# KiCad board RP2350pc_Rev_A.kicad_pcb (continued)
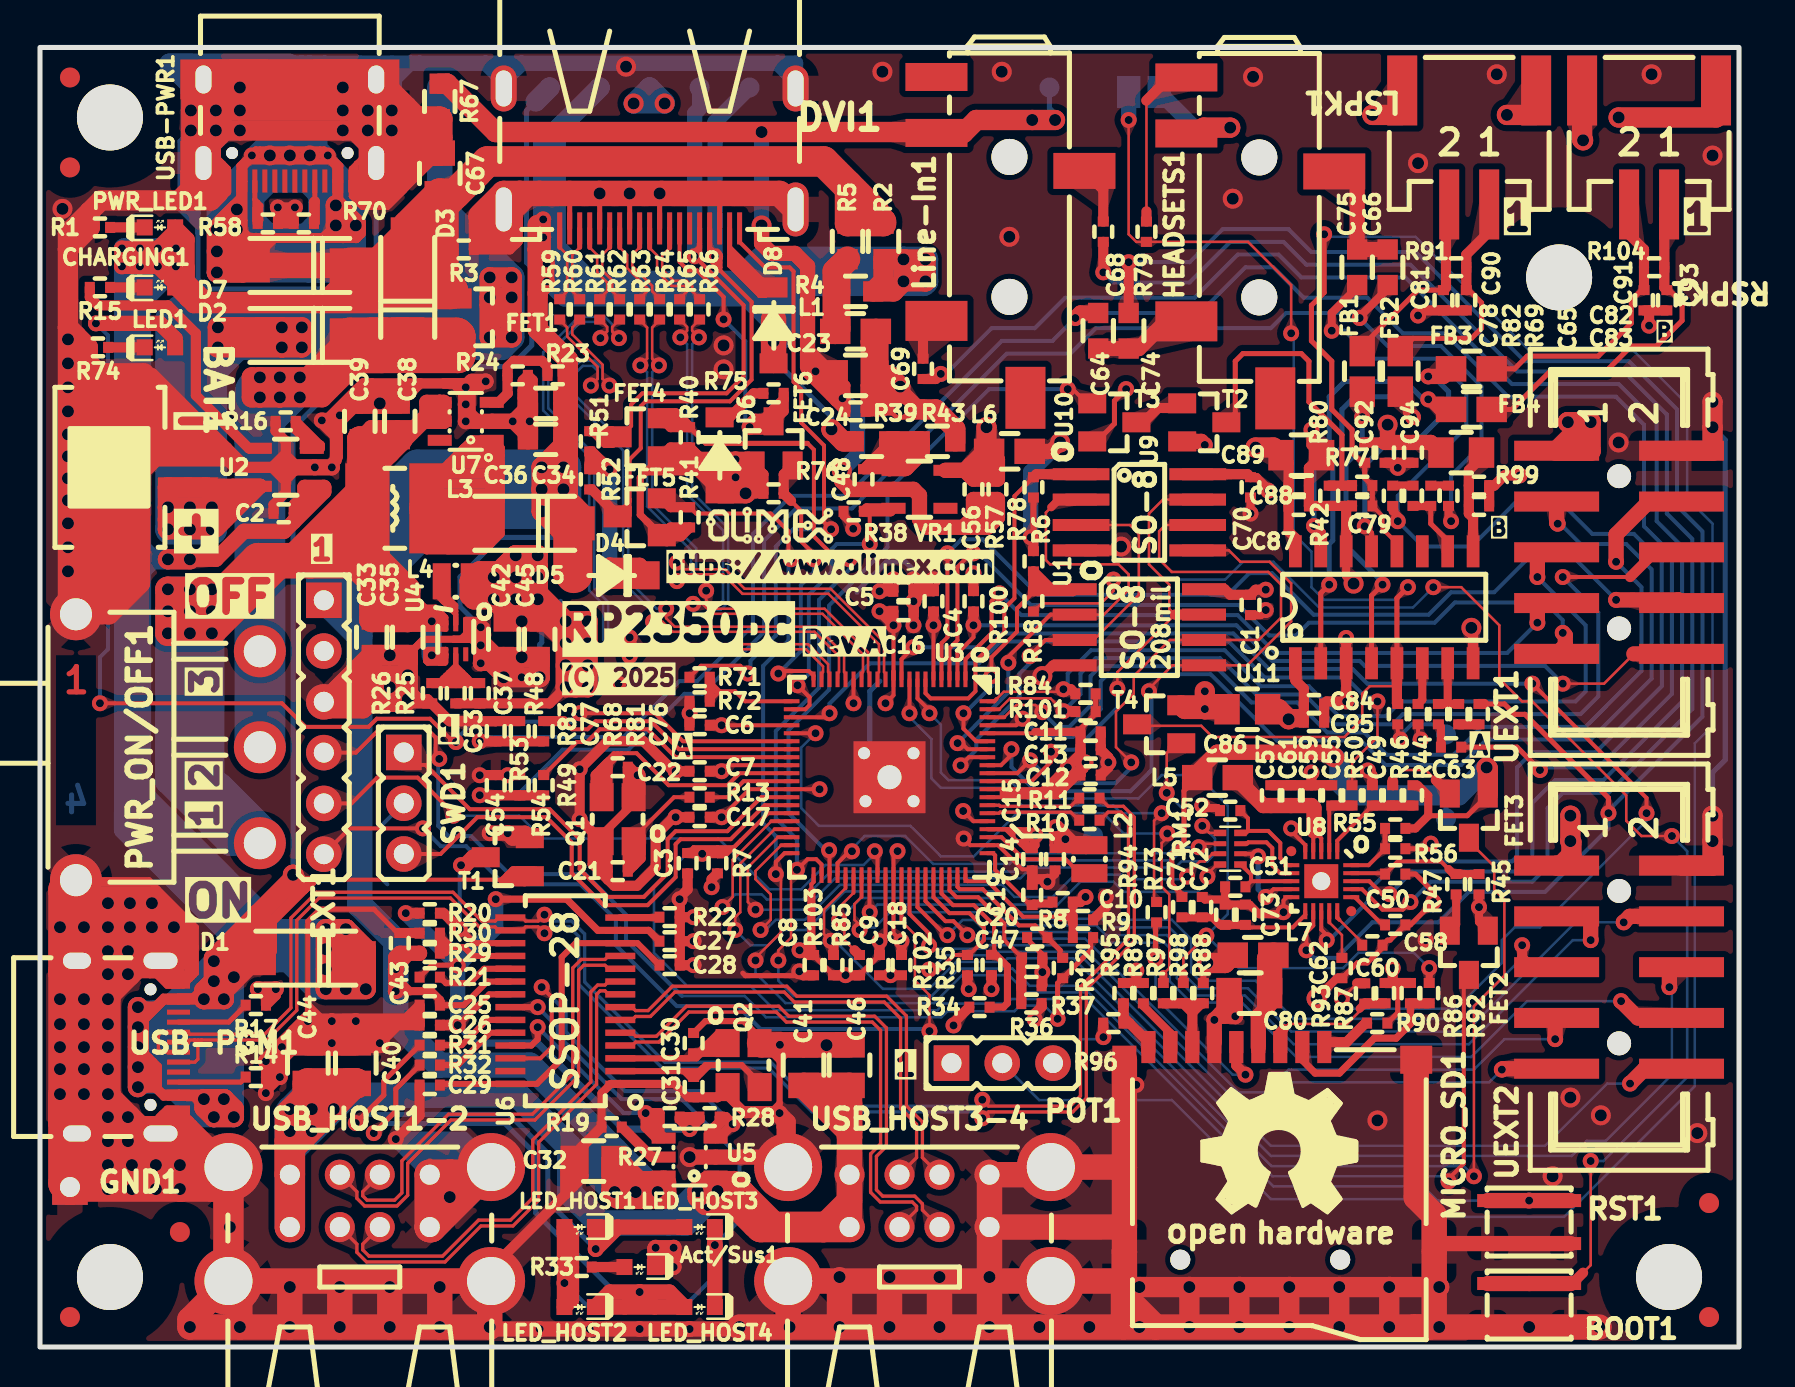
[diagram p0: board, top side]
## Routing (per net, layer and track width the routed paths; a pad name or vN(x,y) marks a point on that pad's centre or on a via; arc(x,y) is an arc through that point) (continued)
/GPIO34\PWM9_A\AMP_VOL: length 34.9
  Top w0.2: v2(39.48,24.85) 39.5,24.83 U3.43 ; v2(51.42,47.91) 51.67,47.91 52.38,47.2 T3.1
  Bottom w0.2: v2(51.42,47.91) 47.48,47.91 42.4,42.83 42.4,40.01 39.48,37.09 39.48,32.88 37.45,30.85 37.45,26.7 39.3,24.85 v2(39.48,24.85)
/GPIO35\AMP_SHDN: length 25.2
  Top w0.127: T4.1 56.85,30.2 56.37,29.72 v2(56.37,27.72)
  Top w0.2: v2(40.62,24.8) 40.5,24.8 39.9,24.2 U3.44
  Bottom w0.127: 40.62,24.92 41.26,25.56 43.29,25.56 44.69,24.16 48.5,24.16 49.03,24.7 56.45,24.7 57.26,25.51 57.26,26.83 v2(56.37,27.72)
  Bottom w0.2: v2(40.62,24.8) 40.62,24.92
/GPIO36\I2C0_SDA: length 60.2
  Top w0.127: 40.3,22.95 39.22,21.88 39.22,20.65 v2(39.55,20.32)
  Top w0.2: 40.3,22.95 U3.45
  Top w0.508: R103.1 39.7,20.17 v2(39.55,20.32)
  Top w0.762: UEXT2.6 81.52,19 v2(81.52,18)
  Bottom w0.127: v2(81.52,18) 81.64,17.87 81.64,13.62 78.34,10.32 77.39,10.32 76.63,9.56 61.58,9.56 51.69,19.44 48.4,19.44 48.22,19.26 45.83,19.26 44.48,17.91 42.17,17.91 39.77,20.32 v2(39.55,20.32)
/GPIO37\I2C0_SCL: length 47.3
  Top w0.127: 40.75,19.84 40.24,20.35 40.24,21.11 v2(39.99,21.37) 39.99,22 40.7,22.72
  Top w0.2: 40.7,22.72 U3.46
  Top w0.508: v2(74.15,20.1) 74.15,19.46 74.61,19 UEXT2.5 ; 40.75,19.84 40.99,19.61 R85.2
  Bottom w0.127: v2(39.99,21.37) 41.08,22.46 47.53,22.46 48.24,21.75 53.45,21.75 53.83,21.37 56.62,21.37 57.59,20.4 57.59,18.75 58.02,18.32 60.81,18.32 62.72,16.42 71.1,16.42 74.15,19.46 v2(74.15,20.1)
/GPIO38\UART1_TX: length 48.7
  Top w0.127: v2(41,20.86) 41,21.11 40.75,21.37 40.75,22.16 41.1,22.51
  Top w0.2: 41.1,22.51 U3.47
  Top w0.762: v2(77.58,20.35) 77.58,21.54 UEXT2.3
  Bottom w0.127: v2(77.58,20.35) 76.69,20.35 71.48,15.14 62.72,15.14 60.28,17.58 57.74,17.58 56.88,18.45 56.88,20.1 56.37,20.61 53.32,20.61 52.84,21.09 47.68,21.09 47.02,21.75 42.53,21.75 41.76,20.99 41.13,20.99 v2(41,20.86)
/GPIO39\UART1_RX: length 48.6
  Top w0.2: v2(41.51,21.75) 41.5,21.76 U3.48
  Top w0.762: v2(79.23,21.24) 79.53,21.54 UEXT2.4
  Bottom w0.127: v2(79.23,21.24) 76.82,21.24 71.36,15.78 62.59,15.78 60.43,17.94 57.94,17.94 57.23,18.64 57.23,20.25 56.5,20.99 53.58,20.99 53.14,21.42 47.94,21.42 47.23,22.13 41.89,22.13 v2(41.51,21.75)
/GPIO40\ADC0: length 32.6
  Top w0.2: U3.49 41.9,24.66 v2(41.76,24.8) ; EXT1.5 15.58,27.19 16.87,28.48 18.89,28.48 20.68,26.69 v2(20.68,26.58)
  Bottom w0.127: v2(20.68,26.58) 23.99,26.58 25.13,25.43 33.94,25.43 36.48,22.89 38.08,22.89 39.3,24.11 41.21,24.11 41.76,24.67
  Bottom w0.2: v2(41.76,24.8) 41.76,24.67
/GPIO41\ADC1\SD_CD#: length 53.8
  Top w0.127: v2(44.5,15.8) 44.5,17.6 43.77,18.33 43.77,20.63 43.1,21.3
  Top w0.2: EXT1.6 15.49,25.94 v2(19.16,25.94) ; 43.1,21.3 U3.52
  Top w0.508: R96.1 53.19,15.51 v2(53.2,15.5)
  Bottom w0.127: v2(44.5,15.8) 44.9,15.4 53.1,15.4 v2(53.2,15.5)
  Bottom w0.2: v2(19.16,25.94) 20.05,25.05 21.32,25.05 23.22,23.15 27.03,23.15 28.81,21.37 28.81,20.1 31.86,17.05 34.91,17.05 36.05,15.91 44.39,15.91 v2(44.5,15.8)
/GPIO42\SPI1_SCK: length 39.3
  Top w0.2: U3.53 43.5,21.67 44.48,20.68 v2(44.48,20.07)
  Top w0.762: v2(73.13,13.88) 73.18,13.92 UEXT2.9
  Bottom w0.127: v2(44.48,20.07) 44.64,19.92 47.3,19.92 47.48,20.1 52.05,20.1 59.8,12.35 61.7,12.35 62.59,13.24 72.5,13.24 v2(73.13,13.88)
/GPIO43\SPI1_TX: length 46
  Top w0.2: U3.54 43.9,22 45.3,20.6 v2(45.4,20.6)
  Top w0.762: v2(79.1,17.3) 79.94,16.46 UEXT2.8
  Bottom w0.127: v2(79.1,17.3) 74.4,17.3 71.61,14.51 62.85,14.51 60.13,17.23 57.59,17.23 56.52,18.29 56.52,19.95 56.24,20.22 53.07,20.22 52.53,20.76 47.33,20.76 46.73,21.36 46.16,21.36 v2(45.4,20.6)
/GPIO44\SPI1_RX: length 39
  Top w0.2: v2(46.4,20.6) 45.7,21.3 45.3,21.3 44.3,22.3 U3.55
  Top w0.762: UEXT2.7 75.8,16.39 v2(75.8,15.4)
  Bottom w0.127: v2(46.4,20.6) 46.57,20.43 52.28,20.43 59.98,12.73 61.32,12.73 62.47,13.88 71.74,13.88 73.26,15.4 v2(75.8,15.4)
/GPIO45\SPI1_CSn: length 51.9
  Top w0.2: U3.56 44.7,22.5 45.5,21.7 46.5,21.7 47.23,20.97 47.23,20.35 46.48,19.61 R102.1 45.73,19.61 45,18.88 v2(44.48,18.88)
  Top w0.762: v2(79.55,13.18) 80.29,13.92 UEXT2.10
  Bottom w0.127: v2(79.55,13.18) 78.4,13.18 75.29,10.06 61.58,10.06 51.87,19.77 47.78,19.77 47.61,19.59 45.29,19.59 44.58,18.88 v2(44.48,18.88)
/GPIO46\PWR_SENS: length 9.6
  Top w0.2: R35.1 47.73,19.75 47.73,21.09 46.72,22.1 45.68,22.1 45.1,22.68 U3.57
  Top w0.356: R34.2 48.2,17 48.4,17.2 48.4,19.04 47.82,19.62 R35.1
/GPIO47\BAT_SENS: length 8.6
  Top w0.2: U3.58 45.5,22.85 45.85,22.5 46.93,22.5 48.24,21.19 48.24,20.35 C47.2
  Top w0.508: C47.2 49.09,19.42 R37.1 R36.2
/HCEC: length 18.8
  Top w0.2: v2(34.2,51.4) 34.2,52.53 32.88,53.85 32.43,53.85 32,54.28 DVI1.13
  Top w0.508: 37.21,47.4 37.21,46.81 FET6.3 36.7,46.89 ; 37.21,47.4 36.7,46.89 ; 37.21,47.4 R75.1 ; v2(35.5,46.01) 35.82,46.01 36.7,46.89
  Top w0.762: 36.41,46.01 v2(35.5,46.01) 35.79,46.3 FET6.3 36.41,46.01
  Bottom w0.2: v2(34.2,51.4) 35.29,50.31 35.29,46.22 v2(35.5,46.01)
/HDMI_CK+: length 27.8
  Top w0.127: v2(33.33,37.83) 33.33,37.35 33.75,36.93 39.25,36.93 41.43,34.75 41.43,33.76 41.5,33.69 U3.13 ; v2(32.04,50.5) 32.37,50.84 32.37,51.02 R65.1
  Bottom w0.127: v2(33.33,37.83) 33.33,37.35 33.55,37.13 33.95,37.13 34.17,37.35 34.17,40.85 32.37,42.65 32.37,50.16 v2(32.04,50.5)
/HDMI_CK-: length 28.2
  Top w0.127: v2(32.96,50.5) 32.63,50.84 32.63,51.02 R66.1 ; U3.14 41.1,33.69 41.17,33.76 41.17,34.65 39.15,36.67 33.65,36.67 33.15,37.17 v2(32.67,37.17)
  Bottom w0.127: v2(32.96,50.5) 32.63,50.16 32.63,42.75 34.43,40.95 34.43,37.25 34.05,36.87 33.45,36.87 33.15,37.17 v2(32.67,37.17)
/HDMI_D0+: length 28.5
  Top w0.127: U3.11 42.3,33.69 42.23,33.76 42.23,35.25 39.55,37.93 35.25,37.93 34.28,38.9 32.2,38.9 v2(31.86,39.24) ; v2(30.04,49.1) 30.37,49.44 30.37,50.99 30,51.37 R63.1
  Bottom w0.127: v2(31.86,39.24) 32.2,38.9 32.42,38.9 32.57,39.05 32.57,39.85 30.37,42.05 30.37,48.76 v2(30.04,49.1)
/HDMI_D0-: length 28.5
  Top w0.127: R64.1 31,51.37 30.63,50.99 30.63,49.44 v2(30.96,49.1) ; v2(31.86,38.31) 32.2,38.65 34.17,38.65 35.15,37.67 39.45,37.67 41.97,35.15 41.97,33.76 41.9,33.69 U3.12
  Bottom w0.127: v2(31.86,38.31) 32.2,38.65 32.53,38.65 32.83,38.95 32.83,39.95 30.63,42.15 30.63,48.76 v2(30.96,49.1)
/HDMI_D1+: length 33.7
  Top w0.127: R61.1 28.37,51.02 28.37,50.8 v2(28.04,50.46) ; v2(29.5,35.49) 29.84,35.15 38.43,35.15 39.43,34.15 39.43,33.76 39.5,33.69 U3.18
  Bottom w0.127: v2(29.5,35.49) 29.16,35.15 28.75,35.15 28.43,35.48 28.43,37.25 27.73,37.95 27.73,44.65 25.43,46.95 25.43,49.65 27.05,51.27 28.15,51.27 28.37,51.05 28.37,50.8 v2(28.04,50.46)
/HDMI_D1-: length 34.5
  Top w0.127: v2(28.96,50.46) 28.63,50.8 28.63,51.02 R62.1 ; v2(29.5,34.56) 29.84,34.9 38.32,34.9 39.17,34.05 39.17,33.76 39.1,33.69 U3.19
  Bottom w0.127: v2(28.96,50.46) 28.63,50.8 28.63,51.15 28.25,51.53 26.95,51.53 25.17,49.75 25.17,46.85 27.47,44.55 27.47,37.85 28.17,37.15 28.17,35.37 28.65,34.9 29.16,34.9 v2(29.5,34.56)
/HDMI_D2+: length 31.9
  Top w0.127: R59.1 26,51.37 26.37,50.99 26.37,50.55 27.9,49.03 27.9,48.43 v2(27.56,48.09) ; v2(31.33,36.93) 31.33,36.45 31.75,36.03 38.85,36.03 40.23,34.65 40.23,33.76 40.3,33.69 U3.16
  Bottom w0.127: v2(31.33,36.93) 30.85,36.93 29.43,38.35 29.43,44.95 26.73,47.65 26.73,48.65 27.15,49.07 27.65,49.07 27.9,48.83 27.9,48.43 v2(27.56,48.09)
/HDMI_D2-: length 32.7
  Top w0.127: U3.17 39.9,33.69 39.97,33.76 39.97,34.55 38.75,35.77 31.65,35.77 31.15,36.27 v2(30.67,36.27) ; v2(28.49,48.09) 28.15,48.43 28.15,49.13 26.63,50.65 26.63,50.99 27,51.37 R60.1
  Bottom w0.127: v2(28.49,48.09) 28.15,48.43 28.15,48.93 27.75,49.33 27.05,49.33 26.47,48.75 26.47,47.55 29.17,44.85 29.17,38.25 30.67,36.75 v2(30.67,36.27)
/HHPD: length 31
  Top w0.2: v2(39.58,40.9) 39.22,41.26 39.22,45.09 38.08,46.23 38.08,47.89 37.7,48.28 37.7,53.8 37.5,54 36.28,54 35,55.28 DVI1.19 ; v2(35.41,33.69) 35.03,34.08 33.07,34.08 R71.1
  Bottom w0.2: v2(39.58,40.9) 37.68,40.9 36.81,40.04 36.81,35.59 35.54,34.32 35.54,33.81 v2(35.41,33.69)
/HP-L: length 5
  Top w0.762: C64.2 C74.1 54.97,49.94 56.33,51.3 HEADSETS1.2
/HP-R: length 6.5
  Top w0.762: HEADSETS1.3 65.8,58.8 65.9,58.71 C75.1 C66.2
/HP_DET: length 8.5
  Top w0.127: 55.35,56.8 55.35,62.34 55.35,62.35
  Top w0.508: HEADSETS1.1 56.5,63.5 55.35,62.35 ; R79.1 55.35,56.8
/HPWR_I2C: length 17.3
  Top w0.508: 27.5,44.2 28.2,44.2 v2(28.5,43.9) ; 27.5,44.2 R51.2 27.61,44.79 v2(28.5,43.9) ; 27.5,44.2 R52.2 27.51,43.9 v2(28.5,43.9) ; v2(28.5,39.1) 29,38.6 D5.1 30.2,38.3
  Top w0.762: D5.1 30,39.1 v2(28.5,39.1) v2(28.5,38.3) 30.2,38.3
  Bottom w0.762: v2(28.5,38.3) v2(28.5,39.1) v2(28.5,43.9)
/HPWR_OUT: length 16.9
  Top w0.254: 36,52.6 36,52.8 35.8,53 ; 36,52.6 36.3,52.6 D8.1 ; 36,52.6 34.5,54.1 34.5,54.3 ; 34.5,54.8 34.5,54.5 ; 34.5,54.8 36.3,53 D8.1 ; 34.5,54.8 34.5,55 ; 34.5,54.5 34.5,54.3 ; 34.5,54.5 36,53 D8.1 ; 34.5,54.3 35.8,53 ; D8.1 35.8,53 ; D8.1 36.5,53 34.5,55 ; DVI1.18 34.5,55
/HSCL: length 31.8
  Top w0.2: 29.45,45.95 29.1,45.6 28.9,45.6 ; 29.45,45.95 27.64,45.95 R51.1 ; 29.45,45.95 29.57,46.07 29.57,47.14 30.13,47.7 34.35,47.7 35.2,48.55 35.2,52.11 32.75,54.56 v2(32.75,54.56) ; 32.77,54.53 33,54.76 33,55.02
  Top w0.25: 33,55.1 33,54.76 32.77,54.53 32.77,54.54 v2(32.75,54.56) 32.75,54.77 33,55.02 33,55.1 ; 33,55.1 DVI1.15
  Top w0.508: 28.28,45.22 27.69,45.81 R51.1 28.59,45.81 FET4.3 28.62,45.22 28.28,45.22
  Bottom w0.762: v2(32.75,54.56) 32.75,61.7 33,61.95 HSCL1.1
/HSDA: length 40.2
  Top w0.2: FET5.3 29.4,41.5 29.5,41.6 29.5,42 ; 29.5,42.4 29.5,44.4 30.06,44.96 30.06,47.06 30.3,47.3 34.52,47.3 35.6,48.38 35.6,52.27 34.04,53.84 ; 29.5,42.4 29.5,42 ; 29.5,42.4 29.5,42.3 29.2,42 ; 33.5,54.8 33.8,54.5 ; 33.5,54.8 34.04,54.26 34.04,54 ; 33.5,54.8 33.5,54.37 34.04,53.84 ; 33.8,54.5 33.8,54.24 34.04,54 ; 33.8,54.5 33.8,54.07 34.04,53.84 ; 34.04,54 34.04,53.84 ; 34.04,54 34.04,54.46 ; 29.5,42 29.2,42 ; v2(33.77,54.55) 33.5,54.82 33.5,55 ; 29.2,42 28.5,42 28.4,42.1
  Top w0.25: 33.77,54.52 33.5,54.8 DVI1.16 33.5,55 34.04,54.46 ; 33.5,54.8 33.5,54.42
  Top w0.508: R52.1 27.61,42.89 28.9,41.6 FET5.3
  Bottom w0.762: HSDA1.1 33.77,61.27 v2(33.77,54.55)
/HUB_DRV: length 43.1
  Top w0.2: LED_HOST3.1 v2(33.76,5.1)
  Top w0.305: U6.22 v2(24.9,17)
  Top w0.762: LED_HOST3.1 LED_HOST4.1 ; 26.59,5.65 LED_HOST1.2 LED_HOST2.2 26.59,2.35 R33.1 26.59,5.65
  Bottom w0.2: v2(24.9,17) 25.9,16 25.9,15.6 29.1,12.4 32.1,12.4 35,9.5 35,6.34 v2(33.76,5.1) 33.76,3.56 32.2,2 27.44,2 v2(26.24,3.2)
/HUB_LED1: length 4
  Top w0.305: U6.23 22.36,16.36 21.1,15.1 R31.1
/HUB_LED2: length 4.2
  Top w0.305: U6.24 22.52,15.72 20.9,14.1 R32.1
/HUB_RST#: length 9
  Top w0.254: 21,20.7 v2(21,20.9)
  Top w0.305: U6.17 21.75,20.2 21.05,20.9 v2(21,20.9)
  Top w0.508: v2(21,20.9) 20.2,21.7 R20.2
  Top w0.762: T1.3 21.67,24.5 21.27,24.1 v2(21.06,24.1)
  Bottom w0.2: v2(21,20.9) 21,24.04 v2(21.06,24.1)
/LX2: length 62.3
  Top w0.508: 22.5,40.2 19.35,40.2 L3.1 ; 22.5,40.2 22.2,39.9 ; 22.5,40.2 23,40.7 23,42.9 ; 22.5,40.2 22.5,44.6 ; L3.1 22.63,41.95 23,42.32 ; L3.1 19.35,43.05 20.5,44.2 ; L3.1 19.35,42.55 20.5,43.7 23,43.7 ; L3.1 19.35,40.95 20.4,39.9 22.2,39.9 ; L3.1 20.1,42.7 22.8,42.7 23,42.9 ; L3.1 19.35,39.9 22.2,39.9 ; L3.1 19.72,42.32 23,42.32 ; L3.1 19.35,43.2 23,43.2 ; 23,43.7 23,43.2 ; 23,43.7 23,44.2 ; 23,43.2 23,42.9 ; 20.5,44.2 23,44.2 ; 20.5,44.2 20.9,44.6 ; 23,44.2 23,44.6 ; 21.2,44.9 20.9,44.6 ; 21.2,44.9 21.65,45.35 U7.1 23,44.95 ; 21.2,44.9 21.25,44.95 23,44.95 ; 20.9,44.6 22.5,44.6 ; 23,44.6 22.5,44.6 ; 23,44.6 23,44.95 ; 23,42.9 23,42.32 ; 23,42.32 D4.2
  Top w1.778: L3.1 20.1,41.2 D4.2
/OVCUR#: length 23.7
  Top w0.2: U6.26 25.04,14.44 25.6,15 25.6,17.5 v2(25.1,18)
  Top w0.508: 33.5,10.75 33.5,10.45 U5.3 ; 33.5,10.75 U5.3 ; 33.5,10.75 34.01,11.26 R28.1 34.3,11.5 ; U5.3 33.8,11 34.3,11.5 ; U5.3 33.95,10.45 v2(34.65,11.15) 34.3,11.5
  Bottom w0.2: v2(34.65,11.15) 33,12.8 29.27,12.8 26.3,15.77 26.3,16.8 v2(25.1,18)
/PWR_CC1: length 3.3
  Top w0.25: 13.75,56.24 R70.2 ; USB-PWR1.A5 13.75,57.3
  Top w0.508: 13.75,56.24 13.75,57.3 13.71,57.26 R70.2
/PWR_CC2: length 4.6
  Top w0.25: 10.89,57.26 10.89,57 ; 10.89,57.26 10.75,57.4 ; 10.89,57.26 11.05,57.1 11.05,56.36 R58.2 10.75,56.34 10.75,57.4 ; USB-PWR1.B5 10.75,57.4
  Top w0.508: R58.2 10.89,57
/PWR_SW: length 71.3
  Top w1.016: v1(11,47.5) v1(12,47.5) 12.01,47.51 14.11,47.51 16.2,49.6 ; v1(11,47.5) 10.6,47.5 10.6,48.5 v1(11,48.5) ; v1(11,47.5) v1(11,48.5) ; v1(11,48.5) 13.4,48.5 D2.1
  Top w1.778: 16.7,50.6 17.3,50.6 ; 16.7,50.6 D2.1 15.5,49.6 ; 16.7,50.6 20.84,50.6 FET1.2 ; 17.3,50.6 16.5,50.6 15.5,49.6 ; 17.3,50.6 18.3,50.6 D3.1 20.85,50.5 FET1.2 ; 17.1,49.6 15.5,49.6 ; 17.1,49.6 15.5,49.6 ; 17.1,49.6 20.9,49.6 20.9,50.54 FET1.2 ; 15.5,49.6 14.9,49 ; 15.5,49.6 14.2,48.3 ; 14.2,48.3 13.9,48 11,48 ; 14.2,48.3 14.69,48.79
  Bottom w1.016: v1(13,47.5) 11,45.5 11,45.4 ; v1(13,47.5) v1(12,47.5) ; v1(13,47.5) v1(13,48.5) v1(12,48.5) v1(11,48.5) v1(11,47.5)
  Bottom w1.778: v1(11,47.5) 11,47 ; 12.1,48.1 11.1,47.1 ; 11,48.1 11,47.1 ; 11,48 12,48
  Bottom w2.54: PWR_ON/OFF1.2 PWR_ON/OFF1.3 11,47.7
/PWREN#: length 14.6
  Top w0.305: U6.25 24.59,15.08 24.9,15.39 v2(24.9,16)
  Top w0.508: U5.4 30.85,10.45 30.3,11 v2(30.3,11.7) 30.7,11.7 ; U5.4 30.99,10.66 30.99,11.7 30.7,11.7 ; U5.4 30.7,10.95 30.7,11.7
  Bottom w0.2: v2(24.9,16) 29.2,11.7 v2(30.3,11.7)
/QSPI_CLK: length 33.5
  Top w0.127: v2(54.59,29.24) 53.83,30 53.83,31.78 54.72,32.67 54.72,33.56 56.52,35.36 U1.6 60.97,35.36 62.09,36.48 62.09,38.13 61.45,38.77 56.62,38.77 55.99,39.4 55.99,40.8 56.31,41.11 U10.6
  Top w0.2: v2(49.54,29.34) 48.89,28.7 U3.71
  Bottom w0.2: v2(54.59,29.24) 54.59,28.99 53.8,28.2 50.68,28.2 v2(49.54,29.34)
/QSPI_CSn: length 18.5
  Top w0.2: U3.75 46.83,30.3 46.2,30.93 v2(46.2,31.7) ; v2(47.6,33.56) 47.6,34.5 48.88,35.78 48.88,36.94 49.7,37.76 R18.1
  Top w0.508: R18.1 51.67,37.81 U1.1 ; R18.1 R6.2 ; R18.1 49.8,37.91 50.2,37.91 ; U1.1 50.2,37.91 ; U1.1 50.59,37.91 R6.2 ; R6.2 49.7,38.41 50.2,37.91
  Bottom w0.2: v2(47.6,33.56) 47.6,33.05 46.25,31.7 v2(46.2,31.7)
/QSPI_SD0: length 30.1
  Top w0.127: v2(55.48,32.8) 55.48,32.92 56.65,34.09 U1.5 60.4,34.09 62.59,36.29 62.59,38.2 61.51,39.28 60.05,39.28 59.48,39.84 U9.5
  Top w0.2: v2(48.6,29.9) 48.6,29.63 48.07,29.1 U3.72
  Bottom w0.2: v2(55.48,32.8) 55.61,32.67 55.61,28.86 54.55,27.8 49.81,27.8 48.6,29.01 v2(48.6,29.9)
/QSPI_SD1: length 23.7
  Top w0.127: U1.2 53.22,36.64 54.47,37.88 54.47,38.64 53.96,39.15 50.53,39.15 50.32,39.36 50.32,41.74 50.59,42.01
  Top w0.2: U1.2 50.56,36.64 48.45,34.53 v2(48.45,34.22) ; v2(45.91,30.21) 46.11,30.21 46.42,29.9 U3.74
  Top w0.406: 50.59,42.01 50.97,42.39 U9.2
  Bottom w0.2: v2(45.91,30.21) 48.45,32.75 v2(48.45,34.22)
/QSPI_SD2: length 21
  Top w0.127: U1.3 52.71,35.36 54.97,37.62 54.97,40.67 54.53,41.11 U10.3
  Top w0.2: U3.73 46.47,29.5 v2(46.06,29.09) ; U1.3 50.3,35.36 49.51,34.58 v2(49.51,34.55)
  Bottom w0.2: v2(46.06,29.09) 46.84,29.88 46.84,30.39 49,32.54 49,33.69 49.51,34.19 v2(49.51,34.55)
/QSPI_SD3: length 23.6
  Top w0.127: U10.7 56.18,42.39 55.48,41.69 55.48,39.15 56.5,38.13 56.5,36.92 56.78,36.64 53.9,33.76 v2(53.9,32.92)
  Top w0.2: U3.70 49.61,28.3 50.58,29.27 v2(50.58,29.78)
  Top w0.508: U1.7 56.78,36.64
  Bottom w0.2: v2(53.9,32.92) 53.9,31.98 51.8,29.88 50.68,29.88 v2(50.58,29.78)
/RUN: length 72.3
  Top w0.127: v2(33.13,24.67) 33.09,24.71 C3.1
  Top w0.2: 35.06,25.34 34.27,24.55 33.9,24.55 ; 35.06,25.34 34.72,25 34.7,25 ; 35.06,25.34 36.42,26.7 U3.35 ; 34.7,25 33.89,25 ; 34.7,25 34.55,24.85 ; 33.9,24.55 33.89,24.56 R7.2 ; 33.9,24.55 34.25,24.55 34.38,24.67 ; R7.2 34.03,24.85 34.55,24.85 ; R7.2 33.89,25 ; R7.2 34.34,24.71 34.38,24.67 ; 34.55,24.85 34.38,24.67 ; 33.89,25 32.69,25 C3.1
  Top w0.508: C3.1 R7.2
  Top w0.762: RST1.1 RST1.1
  Bottom w0.127: v2(74.5,7.33) 69.91,7.33 69.2,8.03 61.7,8.03 52.33,17.41 48.6,17.41 48.37,17.18 45.22,17.18 44.89,16.85 36.76,16.85 35.54,18.07 32.37,18.07 30.72,19.72 30.72,23.02 32.37,24.67 v2(33.13,24.67)
/SD_VDD: length 4.9
  Top w0.762: C80.1 61.52,17.12 60.95,16.55 MICRO_SD1.4
  Top w1.27: C80.1 61.52,19.41 L7.2
/SW1: length 8
  Top w0.254: 20.8,36.8 U4.2 20.8,36.64 20.17,37.27 ; 20.8,36.8 20.1,37.5 L4.2 ; 20.8,36.8 20.8,37.1 20.1,37.8 L4.2 ; L4.2 19.82,38.02 19.82,37.62 20.17,37.27 ; L4.2 20.1,37.34 20.17,37.27
/SWCLK: length 26.3
  Top w0.2: U3.33 36.09,27.5 34.39,25.8 31.8,25.8 31.4,25.4 31.4,23.7 30.22,22.52 28.38,22.52 27,23.9 27,25.4 25.5,26.9 21.5,26.9 19.29,29.11 18.82,29.11 SWD1.1
/SWDIO: length 25.9
  Top w0.2: SWD1.3 20.04,24.66 21.88,26.5 25.33,26.5 26.6,25.23 26.6,23.7 28.2,22.1 30.4,22.1 31.8,23.5 31.8,25.15 32.05,25.4 34.56,25.4 36.26,27.1 U3.34
/USB_CC1: length 3.7
  Top w0.25: R17.2 9.44,16.25 USB-PGM1.A5
/USB_CC2: length 3.5
  Top w0.25: USB-PGM1.B5 10.04,13.25 R14.2
/USB_D1+: length 23.5
  Top w0.165: U6.11 28.44,19.56 28.27,19.39 27.08,19.39 26.65,18.96 26.65,13.66 24.64,11.65 20.44,11.65 18.1,9.31 18.1,7.71 17.74,7.35 16.36,7.35 16.15,7.56 16.15,7.77 USB_HOST1-2.1.3
/USB_D1-: length 24
  Top w0.165: USB_HOST1-2.1.2 15.85,7.77 15.85,7.44 16.24,7.05 17.86,7.05 18.4,7.59 18.4,9.19 20.56,11.35 24.76,11.35 26.95,13.54 26.95,18.84 27.2,19.09 28.27,19.09 28.44,18.92 U6.10
/USB_D2+: length 24.5
  Top w0.165: USB_HOST1-2.2.3 16.15,5.15 16.15,4.86 16.46,4.55 20.14,4.55 21.94,6.35 23.54,6.35 24.65,7.46 24.65,10.36 27.55,13.26 27.55,17.76 27.9,18.11 28.27,18.11 28.44,18.28 U6.9
/USB_D2-: length 25
  Top w0.165: U6.8 28.44,17.64 28.27,17.81 28.02,17.81 27.85,17.64 27.85,13.14 24.95,10.24 24.95,7.34 23.66,6.05 22.06,6.05 20.26,4.25 16.34,4.25 15.85,4.74 15.85,5.15 USB_HOST1-2.2.2
/USB_D3+: length 24.1
  Top w0.165: USB_HOST3-4.1.3 44.15,9.47 44.15,11.26 43.35,12.06 43.35,16.56 42.36,17.55 37.86,17.55 37.36,18.05 31.64,18.05 30.42,16.83 29.8,16.83 29.62,17 U6.7
/USB_D3-: length 23.6
  Top w0.165: USB_HOST3-4.1.2 43.85,9.47 43.85,11.14 43.05,11.94 43.05,16.44 42.24,17.25 37.74,17.25 37.24,17.75 31.76,17.75 30.54,16.53 29.8,16.53 29.62,16.36 U6.6
/USB_D4+: length 26.9
  Top w0.165: U6.5 29.62,15.72 29.8,15.55 30.84,15.55 32.34,17.05 36.96,17.05 37.46,16.55 41.76,16.55 42.35,15.96 42.35,10.04 41.85,9.54 41.85,7.86 42.16,7.55 43.76,7.55 44.15,7.16 44.15,6.85 USB_HOST3-4.2.3
/USB_D4-: length 26.4
  Top w0.165: U6.4 29.62,15.08 29.8,15.25 30.96,15.25 32.46,16.75 36.84,16.75 37.34,16.25 41.64,16.25 42.05,15.84 42.05,10.16 41.55,9.66 41.55,7.74 42.04,7.25 43.64,7.25 43.85,7.04 43.85,6.85 USB_HOST3-4.2.2
/USB_D+: length 77.5
  Top w0.165: 8.1,15.35 11.36,15.35 12.85,16.84 12.85,21.34 13.96,22.45 20.54,22.45 21.98,21.01 22.77,21.01 22.94,20.84 U6.16 24.12,20.84 24.3,21.01 24.92,21.01 v2(25.24,20.7) ; 8.1,15.35 7.9,15.35 ; 8.1,15.35 8.05,15.35 7.9,15.2 ; 7.7,15.35 7.9,15.35 ; 7.7,15.35 7.75,15.35 7.9,15.2 ; 7.7,15.35 7.49,15.35 7.38,15.25 USB-PGM1.A6 ; 7.9,15.35 7.9,15.2 ; 7.9,15.2 7.9,14.4 7.75,14.25 USB-PGM1.B6 ; R11.1 53.03,27.45 53.44,27.05 54.2,27.05 54.75,26.5 54.75,20.3 52.35,17.9 52.35,12.44 51.67,11.76 47.46,11.76 v2(47.14,11.44)
  Bottom w0.165: v2(25.24,20.7) 25.56,21.01 26.48,21.01 26.95,20.54 26.95,18.14 31.14,13.95 36.44,13.95 38.63,11.76 46.82,11.76 v2(47.14,11.44)
/USB_D-: length 76.9
  Top w0.165: v2(47.14,12.37) 47.46,12.05 51.54,12.05 52.05,12.56 52.05,18.02 54.45,20.42 54.45,26.38 54.08,26.75 53.44,26.75 53.03,26.35 R10.1 ; USB-PGM1.A7 6.08,14.75 5.92,14.9 5.92,15.6 6.08,15.75 USB-PGM1.B7 7.38,15.75 7.49,15.65 11.24,15.65 12.55,16.96 12.55,21.46 13.84,22.75 20.66,22.75 22.1,21.31 22.77,21.31 22.94,21.48 U6.15 24.12,21.48 24.3,21.31 24.92,21.31 v2(25.24,21.62)
  Bottom w0.165: v2(47.14,12.37) 46.82,12.05 38.76,12.05 36.56,14.25 31.26,14.25 27.25,18.26 27.25,20.66 26.6,21.31 25.56,21.31 v2(25.24,21.62)
/VD18_O: length 17.4
  Top w0.305: C29.1 20.07,13.16 U6.28 24.86,13.16 26.1,14.4 26.1,19.5 26.8,20.2 U6.12 29.89,20.2 C28.1
/VD33_O: length 45.2
  Top w0.25: R21.1 19.59,19.1 20.75,19.1 20.78,19.08
  Top w0.305: v2(20.9,16.1) 20.94,16.1 22.48,17.64 U6.21
  Top w0.356: C27.1 30.45,20.84 U6.13 27.91,20.84 26.35,22.4 22.8,22.4 v2(22.8,22.4)
  Top w0.508: R20.1 v2(18.3,21.7) ; v2(32.5,10.9) 32.99,11.39 R28.2 32.5,11.5 ; v2(32.5,10.9) 32.5,11.5 ; v2(32.5,10.9) 32.01,11.39 R27.2 32.5,11.5 ; C26.1 v2(20.9,16.1)
  Bottom w0.356: v2(20.9,16.1) 21.8,15.2 24.9,15.2 29.2,10.9 v2(32.5,10.9)
  Bottom w0.762: 21.61,19.79 20.21,19.79 20.15,19.85 ; 21.61,19.79 22.8,20.98 v2(22.8,22.4) ; 21.61,19.79 v2(20.9,19.08) ; 20.15,19.85 20.9,19.1 v2(20.9,16.1) ; 20.15,19.85 v2(18.3,21.7)
/VREG_AVDD: length 4.8
  Top w0.2: C19.1 49.54,22.1 47.78,23.86 47.78,24.59 47.68,24.7 U3.61
  Top w0.406: R8.2 50.58,22.18 49.72,22.18 C19.1
Net-(Act/Sus1-A): length 1.6
  Top w0.508: R33.2 Act/Sus1.2
Net-(C21-Pad1): length 8.8
  Top w0.2: 32.49,27.39 R13.1 31.72,27.5 29.7,25.48 Q1.1
  Top w0.508: 29.7,24.09 30.05,24.44 30.05,25.55 ; 29.7,24.09 Q1.1 29.41,25.01 C21.1 29.7,24.09
Net-(C63-Pad2): length 1.2
  Top w0.406: C63.2 70.09,31.02 R68.1
Net-(C65-Pad2): length 0.9
  Top w0.406: R69.1 C65.2
Net-(C68-Pad1): length 2.9
  Top w0.508: Line-In1.3 53.19,57.88 C68.1
Net-(C69-Pad1): length 2.2
  Top w0.508: Line-In1.2 44.18,50.65 C69.1
Net-(C76-Pad1): length 1
  Top w0.508: R81.2 C76.1
Net-(C78-Pad1): length 1
  Top w0.406: R82.2 C78.1
Net-(CHARGING1-K): length 1.7
  Top w0.508: CHARGING1.1 R15.1
Net-(D6-K): length 2.7
  Top w0.508: D6.1 34.5,46.5 35.7,47.7 R75.2
Net-(FET2-S): length 1.9
  Top w0.406: R47.2 70.85,21.14 FET2.2
Net-(FET3-S): length 3.8
  Top w0.127: 69.83,28.35 69.32,28.86 68.18,28.86 67.67,28.35
  Top w0.508: 67.67,28.1 67.67,28.35 ; FET3.2 70.5,27.68 69.83,28.35
Net-(L1-Pad1): length 7
  Top w1.27: 39.91,53.92 R4.2 39.91,50.93 L1.1 39.78,53.8 39.91,53.92 ; 39.91,53.92 R5.2
Net-(LED1-K): length 1.8
  Top w0.508: R74.1 LED1.1
Net-(LED_HOST1-K): length 28.7
  Top w0.254: v2(15.8,11.2) 17.2,12.6 17.2,13.31 R31.2
  Top w0.762: 28.9,6 v2(27.8,4.9) 27.8,5.96 LED_HOST1.1 28.9,6 ; 28.9,6 LED_HOST3.2
  Bottom w0.254: v2(15.8,11.2) 16.23,11.64 23.47,11.64 25.4,9.7 25.4,7.3 v2(27.8,4.9)
Net-(LED_HOST2-K): length 34.8
  Top w0.254: R32.2 17.8,12.91 17.8,11.8 v2(16.7,10.7)
  Top w0.762: v2(30,2.75) 31.49,2.75 LED_HOST4.2 30.75,2 ; v2(30,2.75) 29.25,2 ; v2(30,2.75) 28.51,2.75 LED_HOST2.1 29.25,2 ; v2(30,2.75) 30.75,2 ; 29.25,2 30.75,2
  Bottom w0.254: v2(16.7,10.7) 17.18,11.18 23.26,11.18 24.8,9.64 24.8,6.7 28.75,2.75 v2(30,2.75)
Net-(LSPK1-P1): length 11.6
  Top w0.254: C90.2 71.48,52.86 72.12,52.23 72.12,50.96 71.61,50.45 68.69,50.45 FB2.1
  Top w0.508: C90.2 R91.2 71.36,54.64 72.5,55.79 LSPK1.1
Net-(LSPK1-P2): length 9.9
  Top w0.254: C81.1 68.94,52.86 66.15,50.07 FB1.1
  Top w0.508: C81.1 70.34,52.99 R91.1 70.34,56.99 LSPK1.2
Net-(MICRO_SD1-CD/DAT3/CS): length 9.6
  Top w0.356: R86.2 68.56,16.16 67.85,15.45 66.75,15.45 65.01,13.7 63.79,13.7 63.15,14.34 MICRO_SD1.2
  Top w0.508: R86.2 R92.2
Net-(MICRO_SD1-CLK/SCLK): length 11.4
  Top w0.254: v2(55.81,19.41) 55.81,21.19 R94.2
  Top w0.508: v2(60.31,13.62) 59.85,14.08 MICRO_SD1.5
  Bottom w0.127: v2(60.31,13.62) 59.67,13.62 55.81,17.48 v2(55.81,19.41)
Net-(MICRO_SD1-CMD/DI): length 6.4
  Top w0.127: 66.02,16.92 66.02,16.8 65.39,16.16 62.47,16.16 62.21,15.91
  Top w0.406: 66.02,16.92 R93.2
  Top w0.508: R87.2 66.29,17.19 R93.2 ; 62.21,15.91 62.05,15.75 MICRO_SD1.3
Net-(MICRO_SD1-DAT0/DO): length 5.1
  Top w0.508: R98.2 R88.2 58.1,17.19 57.65,16.74 ; R98.2 57.65,16.74 ; R98.2 R97.2 ; MICRO_SD1.7 57.65,16.74
Net-(MICRO_SD1-DAT1/RES): length 2.5
  Top w0.406: R89.2 55.2,17.05 56.55,15.7 MICRO_SD1.8
Net-(MICRO_SD1-DAT2/RES): length 2.5
  Top w0.508: MICRO_SD1.1 65.37,15.25 66.31,16.2 R90.2
Net-(MICRO_SD1-Pad9): length 3.7
  Top w0.508: 54.5,16.2 R96.2 54.21,17.18 R95.2 54.2,16.5 54.5,16.2 ; 54.5,16.2 MICRO_SD1.9
Net-(PWR_LED1-K): length 1.7
  Top w0.508: PWR_LED1.1 R1.1
Net-(RSPK1-P1): length 17.7
  Top w0.254: C93.2 81.52,52.86 82.15,52.23 82.15,51.34 80.88,50.07 79.61,50.07 78.34,48.8 75.55,48.8 73.64,46.89 FB4.1
  Top w0.508: C93.2 81.26,52.99 R104.2 81.26,56.91 RSPK1.1
Net-(RSPK1-P2): length 14.5
  Top w0.254: FB3.1 73.77,48.93 74.4,49.56 77.96,49.56 79.61,51.21 79.61,52.36 80.12,52.86 C91.1
  Top w0.508: C91.1 R104.1 80.25,54.9 79.5,55.64 RSPK1.2
Net-(T2-B): length 2.7
  Top w0.508: T2.1 56.91,46.97 55.94,46.97 55.22,46.25 T3.3
Net-(T2-C): length 15.3
  Top w0.254: T2.3 59.8,46.7 59.8,49.31 60.18,49.69 63.1,49.69 63.48,49.31 63.48,47.28 65.13,45.62 65.13,43.08
  Top w0.508: R77.1 R42.1
Net-(U2-CHRGb): length 13.9
  Top w0.508: R15.2 2.49,52.51 2.9,52.1 6.4,52.1 7.8,50.7 7.8,47.6 10.45,44.95 U2.1
Net-(U2-PROG): length 5
  Top w0.508: 13.25,45.45 12.8,45.9 R16.1 12.8,46.28 13.97,45.1 14,45.1 ; 13.25,45.45 13.25,44.95 U2.5 14,44.95 14,45.1 ; 13.25,45.45 13.6,45.1 14,45.1
Net-(U3-VREG_LX): length 5.8
  Top w0.127: L2.2 52.1,23.7
  Top w0.2: 52.1,23.7 52.01,23.7 51.31,24.4 49.2,24.4 48.1,25.5 U3.63
Net-(U3-XIN): length 19.4
  Top w0.2: 29.1,29.7 29.85,29.7 31.45,28.1 34.4,28.1 35,28.7 U3.30 ; 29.1,29.7 29.09,29.7 C22.1 ; 29.1,29.7 28.9,29.7 ; 27.8,28.3 27.8,28.8 28.39,29.39 ; 28.39,29.39 C22.1 ; 28.39,29.39 28.7,29.7 28.9,29.7 ; C22.1 28.39,29.19 28.9,29.7
  Top w0.508: Q1.2 28.1,28.7 28.1,28.7 C22.1 ; Q1.2 27.8,27.8 27.8,28.6 28.39,29.19 28.39,27.79 Q1.2
Net-(U3-XOUT): length 4.4
  Top w0.2: R13.2 34.4,27.5 35.2,28.3 U3.31
Net-(U4-FB): length 10.5
  Top w0.254: 20.15,33.45 19.91,33.21 R26.1 ; 20.15,33.45 20.2,33.5 21.4,33.5 ; 20.15,33.45 20.3,33.6 ; 20.8,34.1 20.45,33.75 ; 20.8,34.1 21.15,33.75 ; 20.8,34.1 U4.5 R25.1 ; 20.45,33.75 20.3,33.6 ; 20.45,33.75 21.15,33.75 ; 20.3,33.6 21.3,33.6 ; 21.15,33.75 21.3,33.6 ; 21.4,33.5 21.69,33.21 C37.1 ; 21.4,33.5 21.3,33.6
  Top w0.508: R26.1 R25.1 C37.1
Net-(U5-ISET): length 2.7
  Top w0.508: U5.5 30.61,9.5 R19.2
Net-(U6-BUSJ): length 3.9
  Top w0.305: U6.19 22.22,18.92 21.5,18.2 20.31,18.2 R21.2
Net-(U6-REXT): length 2
  Top w0.305: 30.97,21.48 R22.2
  Top w0.356: U6.14 30.97,21.48
Net-(U6-VBUSM): length 6.4
  Top w0.305: U6.18 21.66,19.56 21.22,20 20.6,20 ; R30.1 20.01,20.59 20.6,20 ; 20.6,20 20.01,20 ; 20.6,20 20.3,19.7 R29.1
  Top w0.508: R29.1 R30.1
Net-(U6-XI): length 13.9
  Top w0.305: Q2.1 34.25,15.05 33.25,15.05 ; Q2.1 34.3,15.3 33.5,15.3 ; Q2.1 33.9,15.7 33.5,15.3 ; Q2.1 33.4,15.2 33.25,15.05 ; Q2.1 34.1,14.9 33.1,14.9 ; Q2.1 33.89,14.69 ; 33.1,14.69 32.85,14.44 32.1,14.44 ; U6.3 32.1,14.44 ; 32.1,14.44 32.45,14.44 C30.1 32.89,14.69 33.1,14.9 ; 33.5,15.3 33.25,15.05 ; 33.25,15.05 33.1,14.9
  Top w0.356: 33.89,14.69 C30.1
Net-(U6-XO): length 10.7
  Top w0.305: 33.5,14.1 32.91,13.51 C31.1 ; 33.5,14.1 33.29,14.1 33.15,13.95 ; 33.5,14.1 35.1,14.1 36,13.2 Q2.2 ; C31.1 32.49,13.51 32.2,13.8 ; C31.1 32.41,13.8 32.2,13.8 ; C31.1 32.69,13.5 ; C31.1 33.15,13.95 ; 33.15,13.95 32.99,13.8 32.1,13.8 ; 32.2,13.8 32.1,13.8 ; 32.1,13.8 U6.2
Net-(U7-FB): length 5.3
  Top w0.305: U7.3 22.9,47.25
  Top w0.508: U7.3 22.95,47.25 23.4,47.7 23.39,47.71 R24.1 23.39,49.02 23.7,49.33 25.1,49.33 25.39,49.04 R23.2
Net-(U8-ADCVREF): length 2.2
  Top w0.127: C60.1 66.15,20.22 65.01,21.37
  Top w0.2: U8.15 64.9,21.47 65.01,21.37
Net-(U8-ASDOUT): length 3.7
  Top w0.2: U8.7 62.04,23.7 61.65,24.09 61.65,24.95 61.36,25.24 60.45,25.24 60.38,25.17 RM1.2.2
Net-(U8-AVDD): length 6.8
  Top w0.2: U8.11 63.3,21.62 62.67,20.99 60.43,20.99 C73.2
  Top w0.406: R73.2 C71.1 58.66,21.5 59.04,21.11 C72.1 C73.2
Net-(U8-CCLK/SCL): length 5
  Top w0.2: U8.1 64.9,25.33 C49.1
  Top w0.508: R44.1 R46.1 C49.1
Net-(U8-CDATA/SDA): length 6.9
  Top w0.2: 70.47,23.91 70.09,24.29 67.93,24.29 C50.1 67.25,23.7 U8.19
  Top w0.406: 70.47,23.91 70.72,23.65 R47.1 R45.1
Net-(U8-CE/AD0): length 3
  Top w0.2: U8.20 66.47,24.1 R56.1
  Top w0.254: R56.1 R55.1
Net-(U8-DACVREF): length 2.6
  Top w0.127: 64.5,21.24 65.13,20.61 C62.1
  Top w0.2: U8.14 64.5,21.24
Net-(U8-DSDIN): length 4.6
  Top w0.2: U8.9 61.71,22.9 v2(61.32,22.51) ; RM1.3.2 60.81,24.67 v2(60.94,24.54)
  Bottom w0.254: v2(60.94,24.54) 60.94,22.89 v2(61.32,22.51)
Net-(U8-DVDD): length 7.9
  Top w0.2: U8.3 64.1,25.45 63.74,25.81 63.7,25.78 U8.4
  Top w0.762: 63.74,25.81 63.74,26.96 C59.1 C61.1 C57.1 61.2,27.08 59.93,28.35 L5.2
Net-(U8-LRCK): length 3.5
  Top w0.2: U8.8 60.59,23.3 ; 60.59,23.3 C51.1 ; 60.59,23.3 60.59,23.63 60.08,24.13 RM1.4.2
Net-(U8-MCLK): length 3.4
  Top w0.2: U8.2 64.5,26.96 C55.1
  Top w0.508: C55.1 R50.1
Net-(U8-MIC1N): length 73
  Top w0.2: v2(68.56,22.26) 68.18,21.88 67.16,21.88 66.14,22.9 U8.17
  Top w0.508: C68.2 v2(53.19,53.75)
  Bottom w0.2: v2(68.56,22.26) 69.58,23.27 74.66,23.27 75.42,24.03 75.42,26.96 76.18,27.72 78.47,27.72 82.66,31.91 82.66,40.42 81.39,41.69 81.39,46.64 79.23,48.8 73.9,48.8 68.56,54.13 63.35,54.13 62.21,55.28 59.54,55.28 57.51,53.25 53.7,53.25 v2(53.19,53.75)
Net-(U8-MIC1P/DMIC_SDA): length 79.8
  Top w0.2: v2(67.52,22.65) 67.15,22.65 66.5,23.3 U8.18
  Top w0.508: v2(45.07,48.67) 44.81,48.42 C69.2
  Bottom w0.2: v2(45.07,48.67) 45.32,48.67 47.61,50.96 49.77,50.96 51.29,52.48 57.77,52.48 59.93,54.64 61.96,54.64 63.1,53.5 68.31,53.5 73.64,48.17 78.98,48.17 80.88,46.26 80.88,41.31 82.15,40.04 82.15,32.29 78.21,28.35 75.8,28.35 74.66,27.21 74.66,24.29 74.15,23.78 68.65,23.78 v2(67.52,22.65)
Net-(U8-OUTN): length 68.1
  Top w0.2: U8.13 64.1,20.88 64.37,20.61 v2(64.37,20.35)
  Top w0.406: C75.2 65.9,52.99 64.62,51.72 v2(64.62,50.83) ; C78.2 67.67,41.81 67.93,41.56 67.93,41.43
  Bottom w0.2: v2(64.62,50.83) 65.26,50.83 66.66,49.44 69.83,49.44 71.36,47.91 71.36,46.01 67.93,42.58 v2(67.93,41.31) 69.2,40.04 71.61,40.04 73.77,42.2 76.13,42.2 77.66,40.67 79.74,40.67 81.13,39.28 81.13,33.05 77.83,29.75 74.66,29.75 73.9,28.99 73.9,24.54 73.64,24.29 67.93,24.29 66.53,22.89 66.53,22.38 64.5,20.35 v2(64.37,20.35)
Net-(U8-OUTP): length 87.1
  Top w0.2: v2(63.35,19.84) 63.35,20.73 63.7,21.08 U8.12
  Top w0.254: 72.25,32.16 73.26,32.16 73.78,31.65 74.29,31.65 78.47,27.46 v2(78.47,26.7)
  Top w0.508: C74.2 v2(54.47,54.26) ; C76.2 72.25,32.16
  Bottom w0.2: v2(63.35,19.84) 63.74,19.46 64.88,19.46 66.66,21.24 69.96,21.24 71.48,22.77 75.29,22.77 78.47,25.94 v2(78.47,26.7) 78.47,26.83 83.17,31.53 83.17,40.8 81.9,42.07 81.9,46.89 79.48,49.31 74.28,49.31 68.82,54.77 63.61,54.77 62.47,55.91 59.16,55.91 57.51,54.26 v2(54.47,54.26)
Net-(U8-SCLK/DMIC_SCL): length 4.9
  Top w0.2: 60.43,25.81 60.34,25.71 RM1.1.2 ; 60.43,25.81 60.43,26.45 C52.1 ; 60.43,25.81 61.45,25.81 62.05,25.21 62.05,24.45 62.4,24.1 U8.6
Net-(U8-VMID): length 2.3
  Top w0.2: C58.1 67.16,21.11 65.78,22.5 U8.16
Net-(U11-+OUTL): length 14.9
  Top w0.254: U11.4 66.62,37.58 v2(67.16,38.13)
  Top w0.508: FB1.2 v2(66.15,46.51)
  Bottom w0.254: v2(66.15,46.51) 66.15,44.99 65.34,44.18 65.34,40.09 67.16,38.26 v2(67.16,38.13)
Net-(U11-+OUTR): length 13.3
  Top w0.254: U11.13 66.62,40.71 v2(66.28,41.05)
  Top w0.762: FB3.2 70.21,48.55 v2(69.45,48.55)
  Bottom w0.254: v2(66.28,41.05) 66.28,44.1 67.16,44.99 68.56,44.99 70.47,46.89 70.47,47.78 69.71,48.55 v2(69.45,48.55)
Net-(U11--OUTL): length 18.9
  Top w0.254: v2(64.5,38.13) 64.07,37.71 U11.2
  Top w0.508: FB2.2 68.44,47.4 68.44,46.77 v2(68.69,46.51)
  Bottom w0.254: v2(64.5,38.13) 64.5,40.16 64.68,40.34 64.68,44.53 65.13,44.99 65.13,46.89 65.77,47.53 67.67,47.53 v2(68.69,46.51)
Net-(U11--OUTR): length 15.2
  Top w0.508: v2(69.45,47.4) 69.96,46.89 FB4.2 ; U11.15 64.07,40.73 v2(63.74,41.07)
  Bottom w0.254: v2(63.74,41.07) 63.74,44.61 64.5,45.37 64.5,47.53 65.26,48.29 68.31,48.29 69.2,47.4 v2(69.45,47.4)
Net-(U11-VREF): length 2.1
  Top w0.406: C77.1 69.16,32.38 U11.6
Net-(VR1-VIN): length 13.1
  Top w0.508: 43.26,44.06 43.11,43.91 C48.1 ; C48.1 42.49,45.2 R39.2 ; C48.1 41.7,43.91 42.49,44.7 ; 42.49,44.06 42.67,43.88 42.7,43.88
  Top w1.016: R43.2 44.01,44.81 43.26,44.06 42.49,44.06 ; R43.2 43.73,45.3 42.49,44.06 ; R43.2 R39.2 42.49,44.06

## Copper pours and planes (outline as drawn; the poured copper is in the pictures)
+3.3V on In2.Cu: 87,67.5 -2,67.5 -2,-2.5 87,-2.5
GND on Top, Bottom, In1.Cu: 89,70 -4,70 -4,-5 89,-5
GNDA on Bottom: 56.12,33.43 56.12,25.94 59.42,25.94 59.42,18.95 64.37,18.95 66.66,21.24 69.96,21.24 72.12,23.4 74.15,23.4 74.15,37.5 75.04,37.5 75.04,48.42 69.96,53.5 62.97,53.5 62.85,33.43
GNDA on In1.Cu: 57.89,23.53 57.89,21.11 58.53,21.11 62.72,16.92 65.13,16.92 70.47,22.26 70.47,29.37 72.37,31.27 72.37,41.18 81.01,49.56 81.01,60.74 79.48,62.26 48.75,62.26 48.75,59.21 51.8,56.17 51.8,45.5 61.58,45.5 62.85,44.23 62.85,35.72 60.56,33.43 55.61,33.43 55.61,25.81

Small or netless copper shapes (teardrops, artwork), in the pictures only: 863 on Top, 202 on Bottom, 26 on In2.Cu

## Text on the board
Bottom: 4
B.Silkscreen: ADC_VREF | GPIO40 | GPIO41 | +5V | GND | +3.3V | SWC | SWD | +5VA | AMP-VOL | GNDA | https://www.olimex.com | RP2350pc
Top: 1
F.Silkscreen: B | (C) 2025 | https://www.olimex.com | A | 1 | Rev.A | OFF | ON | RP2350pc
In1.Cu: 2
In2.Cu: 3
